# KiCad board HALTEST.kicad_pcb
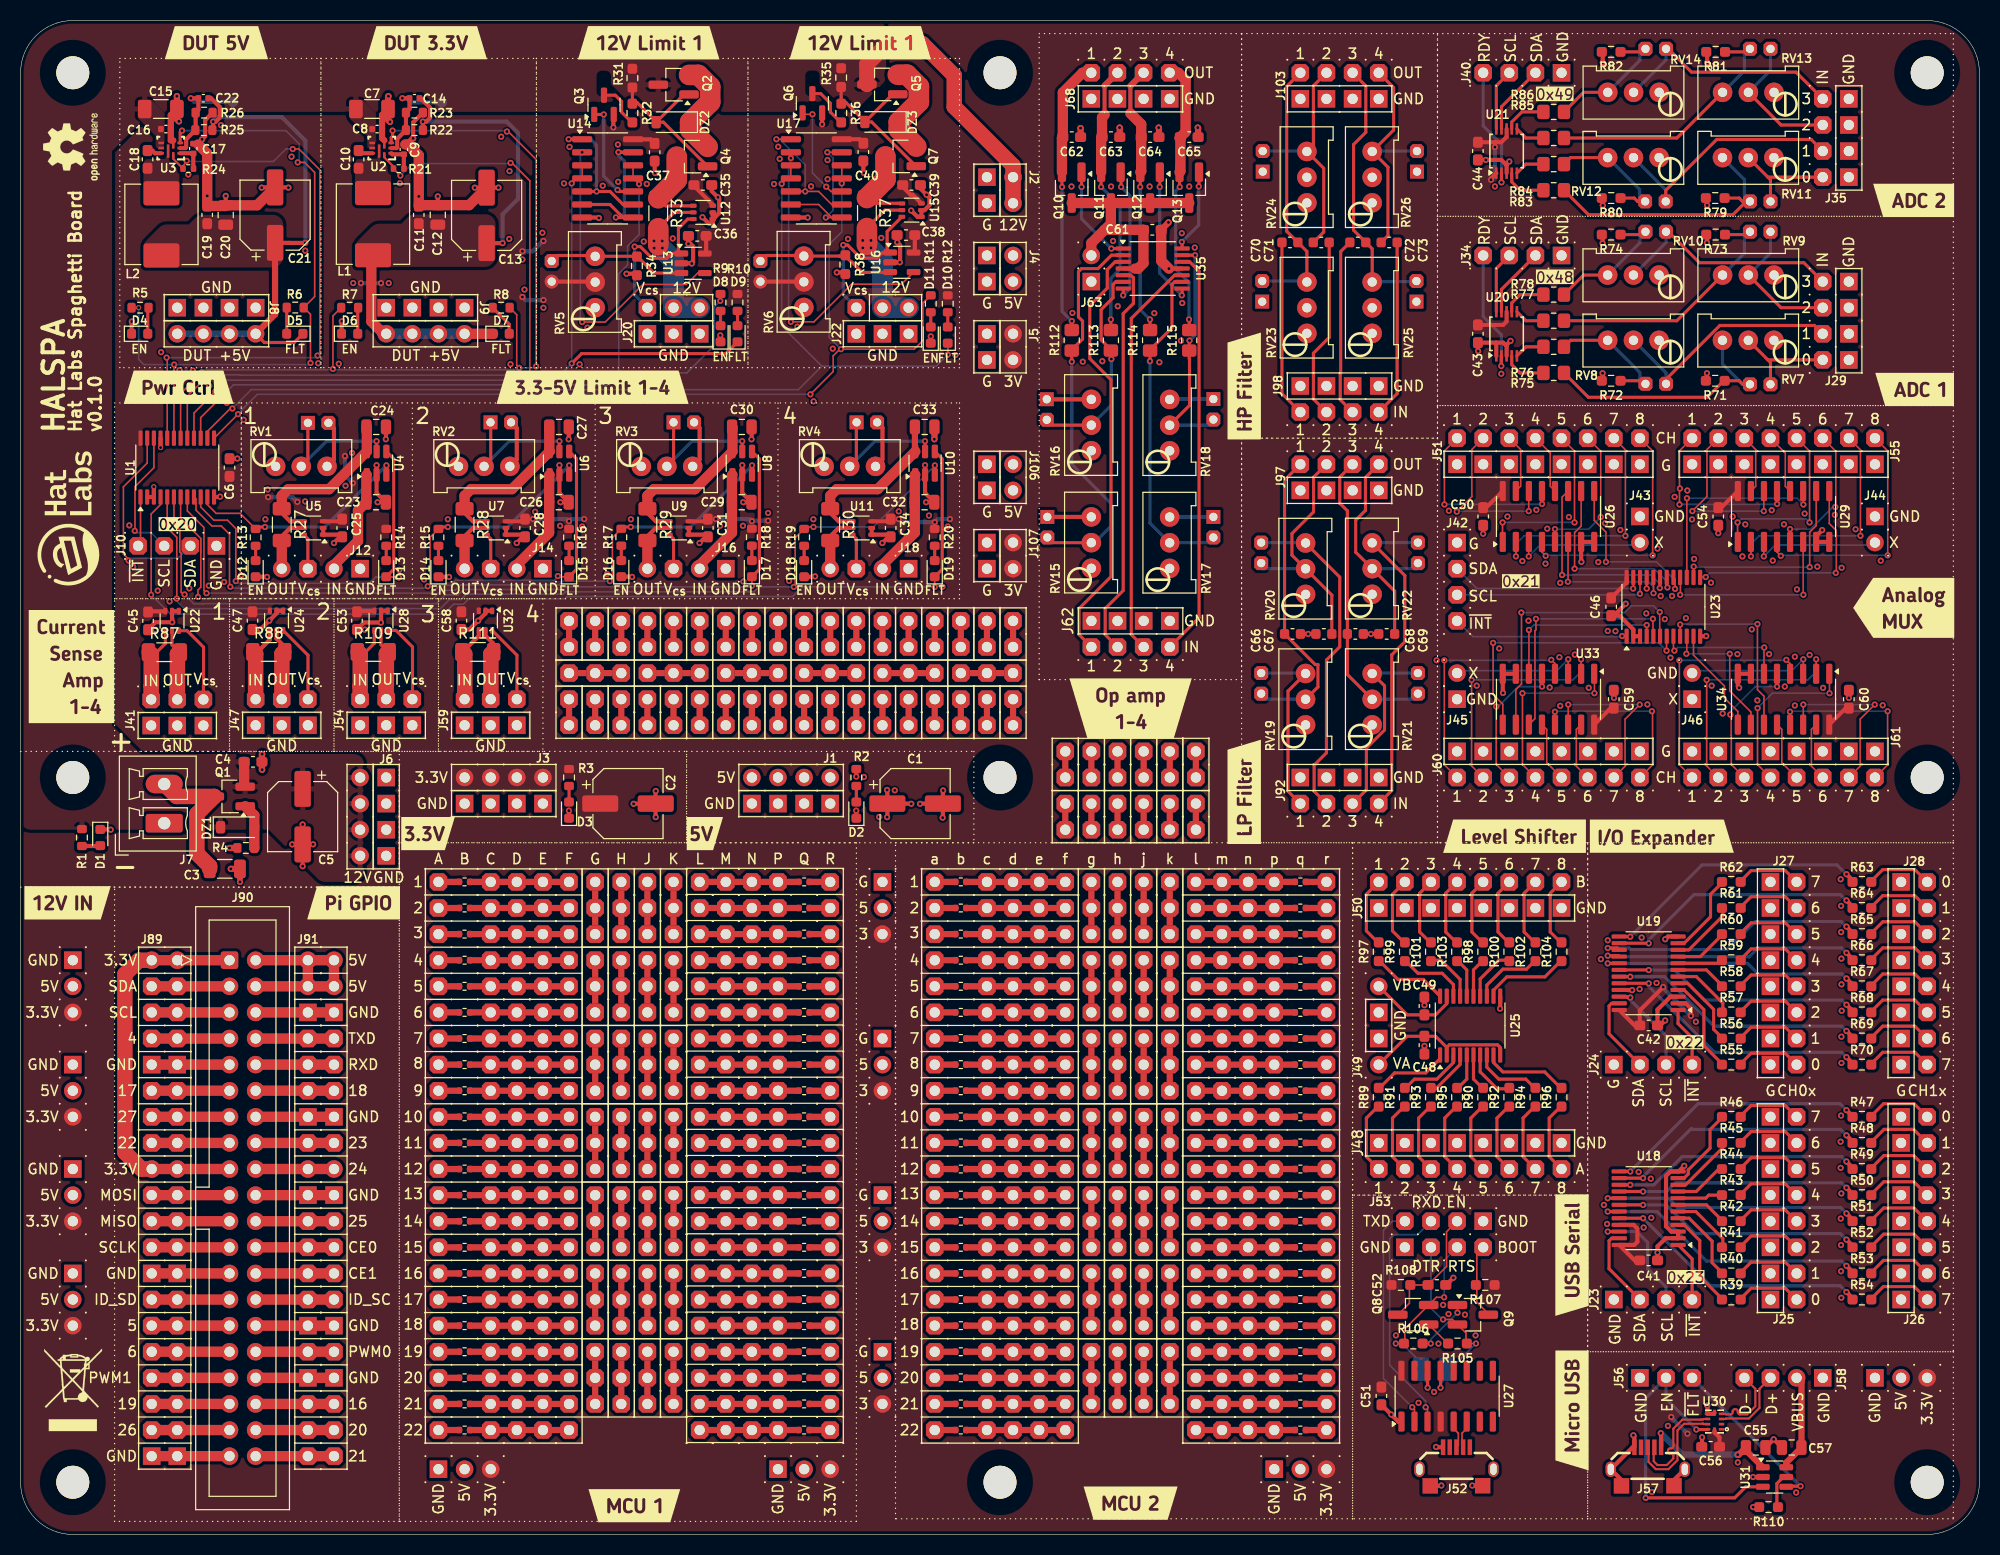
[diagram p0: board, top side]
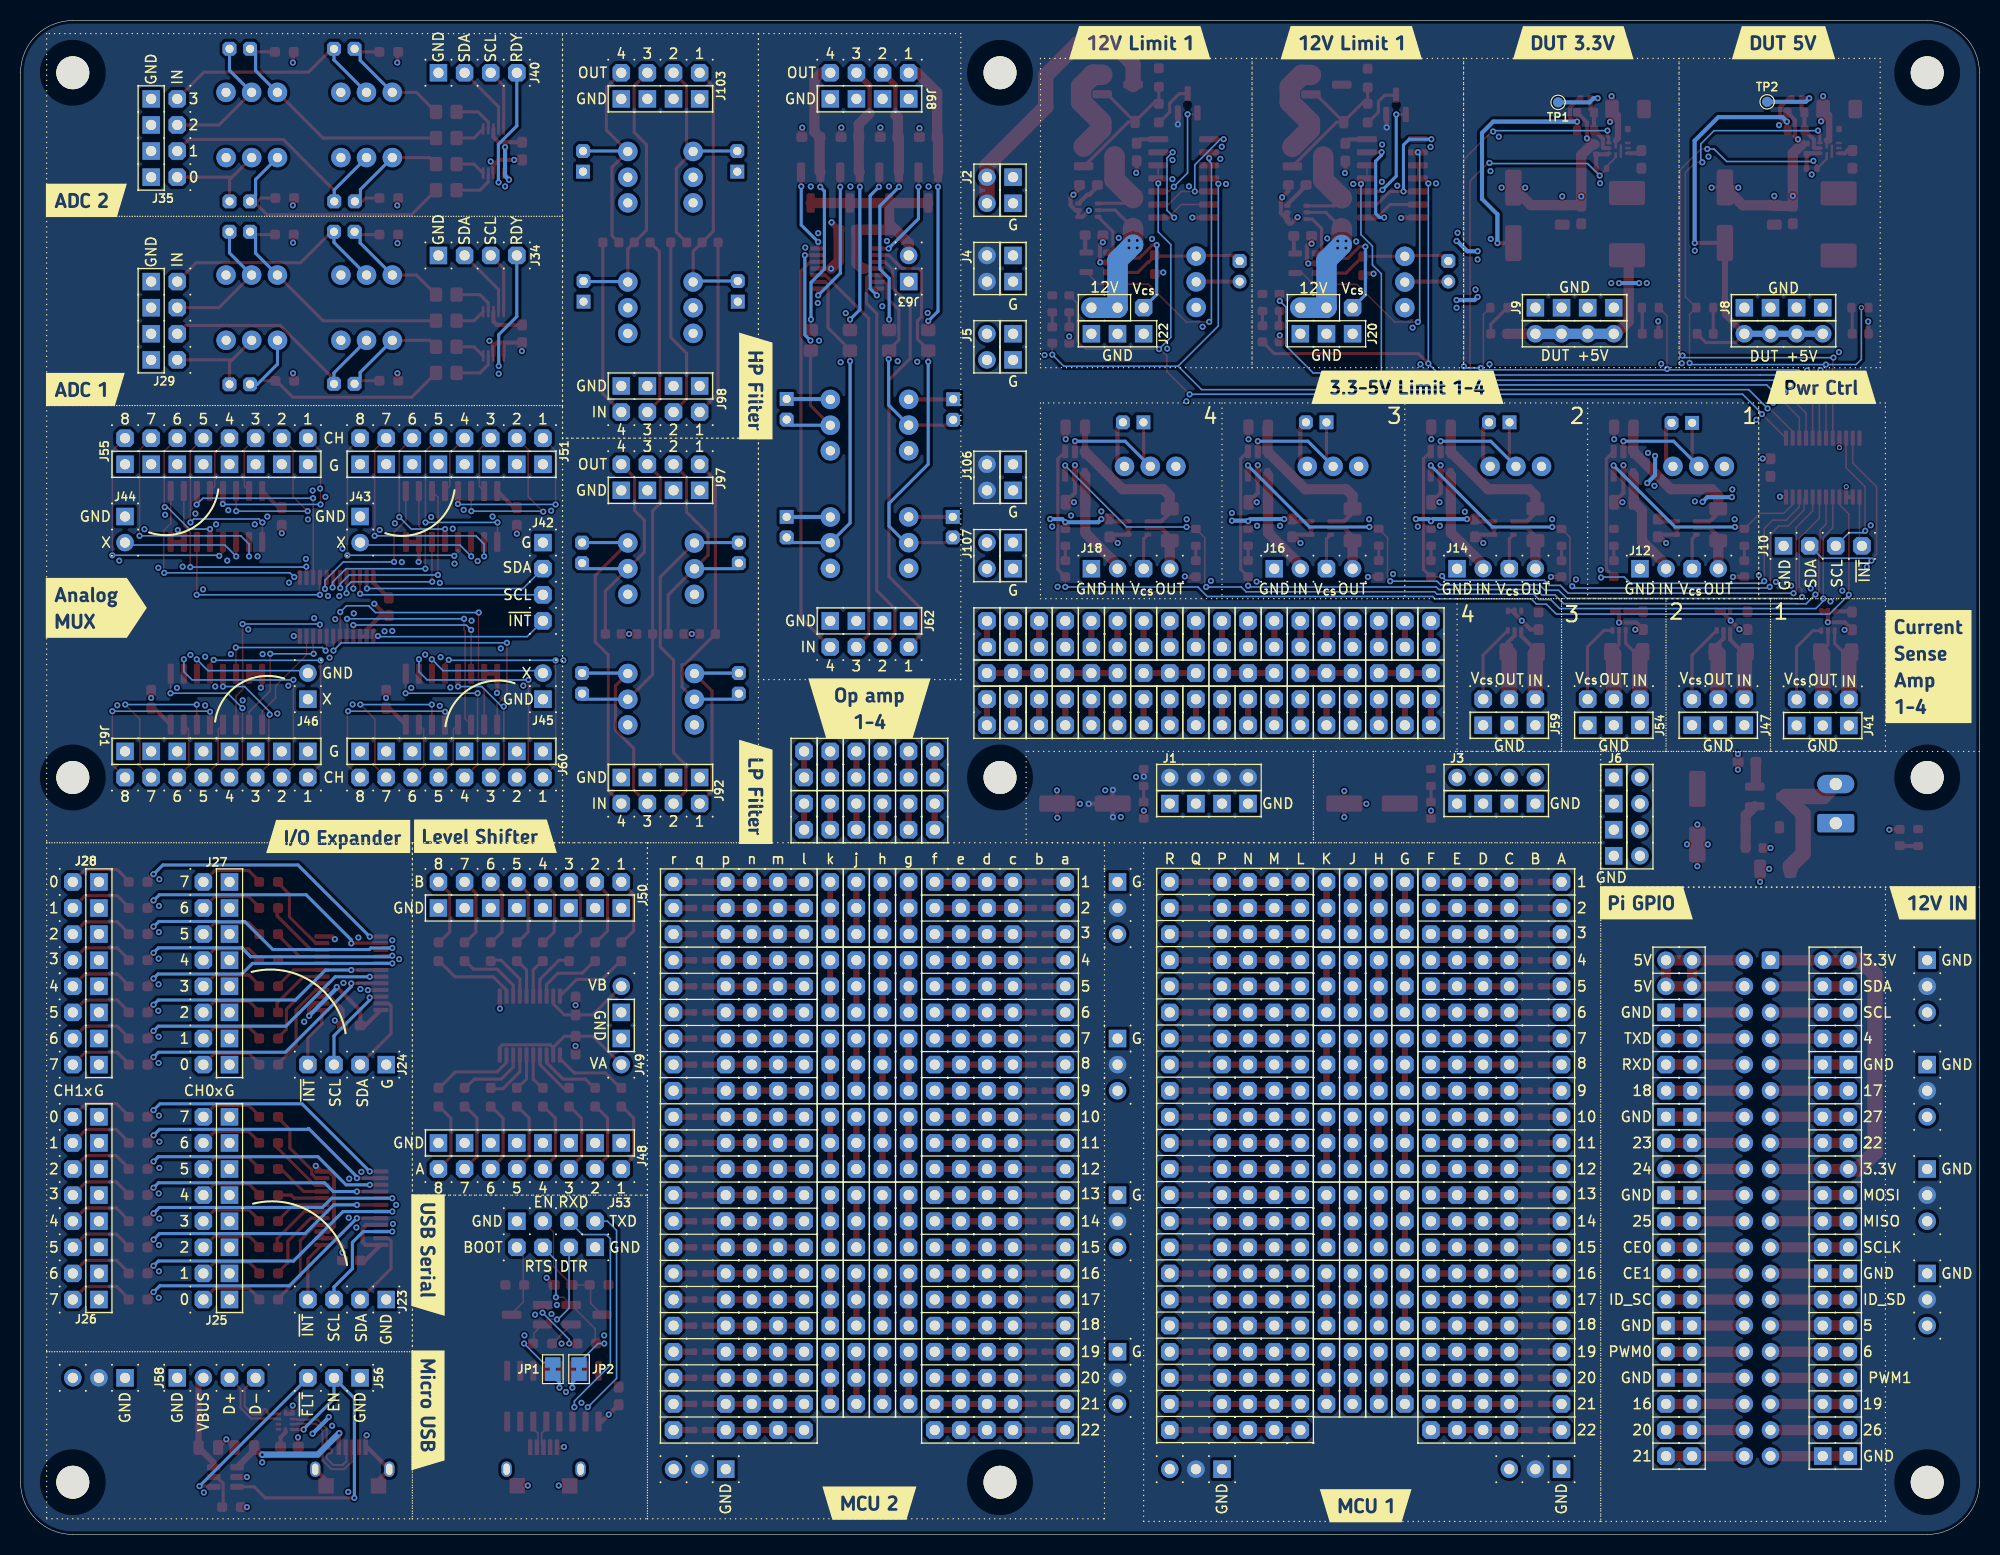
[diagram p1: board, bottom side, seen from below]

Outline 190.5 x 147.32 mm; copper layers: Top, In1.Cu, In2.Cu, Bottom. Coordinates in mm from the lower left corner of the outline.
Outline path: 0,142.24 0,5.08 arc(1.49,1.49) 5.08,0 185.42,0 arc(189.01,1.49) 190.5,5.08 190.5,142.24 arc(189.01,145.83) 185.42,147.32 5.08,147.32 arc(1.49,145.83) 0,142.24
Stack: Top 0.035mm / dielectric 0.0994mm FR4 er 4.5 / In1.Cu 0.0152mm / dielectric 1.265mm FR4 er 4.5 / In2.Cu 0.0152mm / dielectric 0.0994mm FR4 er 4.5 / Bottom 0.035mm

## Placement (name value [footprint] x y rotation side)
C1  220uF  [CP_Elec_6.3x7.7]  87 71.12 0 top
C2  220uF  [CP_Elec_6.3x7.7]  59.07 71.12 0 top
C3  1uF/50V  [C_1206_3216Metric]  19.86 64.77 0 top
C4  1uF  [C_0603_1608Metric_Pad1.08x0.95mm_HandSolder]  22.61 75.18 0 top
C5  220uF  [CP_Elec_6.3x7.7]  27.43 69.85 270 top
C6  1uF  [C_0603_1608Metric_Pad1.08x0.95mm_HandSolder]  20.32 103.82 90 top
C7  10uF  [C_1206_3216Metric_Pad1.33x1.80mm_HandSolder]  34.17 138.71 0 top
C8  1uF  [C_0402_1005Metric]  34.67 136.76 0 top
C9  1uF  [C_0402_1005Metric]  37.27 134.78 90 top
C10  100nF  [C_0603_1608Metric_Pad1.08x0.95mm_HandSolder]  32.88 133.81 90 top
C11  1uF  [C_0603_1608Metric_Pad1.08x0.95mm_HandSolder]  38.73 128.41 90 top
C12  10uF  [C_0805_2012Metric]  40.57 128.41 90 top
C13  220uF/16V  [CP_Elec_6.3x7.7]  45.32 128.36 90 top
C14  33pF  [C_0402_1005Metric]  38.3 139.76 180 top
C15  10uF  [C_1206_3216Metric_Pad1.33x1.80mm_HandSolder]  13.64 138.71 0 top
C16  1uF  [C_0402_1005Metric]  14.13 136.76 0 top
C17  1uF  [C_0402_1005Metric]  16.8 134.86 90 top
C18  100nF  [C_0603_1608Metric_Pad1.08x0.95mm_HandSolder]  12.35 133.81 90 top
C19  1uF  [C_0603_1608Metric_Pad1.08x0.95mm_HandSolder]  18.15 128.41 90 top
C20  10uF  [C_0805_2012Metric]  19.95 128.4 90 top
C21  220uF/16V  [CP_Elec_6.3x7.7]  24.75 128.39 90 top
C22  33pF  [C_0402_1005Metric]  17.77 139.76 180 top
C23  10uF  [C_0805_2012Metric]  34.57 100.45 0 top
C24  10uF  [C_0805_2012Metric]  34.59 107.77 0 top
C25  1uF  [C_0603_1608Metric_Pad1.08x0.95mm_HandSolder]  31.28 97.94 270 top
C26  10uF  [C_0805_2012Metric]  52.35 100.45 0 top
C27  10uF  [C_0805_2012Metric]  52.36 107.77 0 top
C28  1uF  [C_0603_1608Metric_Pad1.08x0.95mm_HandSolder]  49.06 97.94 270 top
C29  10uF  [C_0805_2012Metric]  70.13 100.45 0 top
C30  10uF  [C_0805_2012Metric]  70.14 107.77 0 top
C31  1uF  [C_0603_1608Metric_Pad1.08x0.95mm_HandSolder]  66.84 97.94 270 top
C32  10uF  [C_0805_2012Metric]  87.91 100.45 0 top
C33  10uF  [C_0805_2012Metric]  87.92 107.77 0 top
C34  1uF  [C_0603_1608Metric_Pad1.08x0.95mm_HandSolder]  84.62 97.94 270 top
C35  1uF  [C_0603_1608Metric_Pad1.08x0.95mm_HandSolder]  66.35 131.32 0 top
C36  1uF  [C_0603_1608Metric_Pad1.08x0.95mm_HandSolder]  65.81 126.37 180 top
C37  1uF  [C_0603_1608Metric_Pad1.08x0.95mm_HandSolder]  61.67 134.5 270 top
C38  1uF  [C_0603_1608Metric_Pad1.08x0.95mm_HandSolder]  86.1 126.44 180 top
C39  1uF  [C_0603_1608Metric_Pad1.08x0.95mm_HandSolder]  86.65 131.32 0 top
C40  1uF  [C_0603_1608Metric_Pad1.08x0.95mm_HandSolder]  81.96 134.52 270 top
C41  1uF  [C_0603_1608Metric_Pad1.08x0.95mm_HandSolder]  158.33 26.67 0 top
C42  1uF  [C_0603_1608Metric_Pad1.08x0.95mm_HandSolder]  158.33 49.53 0 top
C43  1uF  [C_0603_1608Metric_Pad1.08x0.95mm_HandSolder]  141.72 116.84 270 top
C44  1uF  [C_0603_1608Metric_Pad1.08x0.95mm_HandSolder]  141.72 134.62 270 top
C45  1uF  [C_0603_1608Metric_Pad1.08x0.95mm_HandSolder]  12.4 88.9 90 top
C46  1uF  [C_0603_1608Metric_Pad1.08x0.95mm_HandSolder]  154.69 90.27 270 top
C47  1uF  [C_0603_1608Metric_Pad1.08x0.95mm_HandSolder]  22.56 88.92 90 top
C48  1uF  [C_0603_1608Metric_Pad1.08x0.95mm_HandSolder]  136.53 47.62 90 top
C49  1uF  [C_0603_1608Metric_Pad1.08x0.95mm_HandSolder]  136.53 51.43 90 top
C50  1uF  [C_0603_1608Metric_Pad1.08x0.95mm_HandSolder]  142.24 99.06 270 top
C51  1uF  [C_0603_1608Metric_Pad1.08x0.95mm_HandSolder]  132.34 13.48 270 top
C52  1uF  [C_0603_1608Metric_Pad1.08x0.95mm_HandSolder]  137.74 24.28 0 top
C53  1uF  [C_0603_1608Metric_Pad1.08x0.95mm_HandSolder]  32.72 88.92 90 top
C54  1uF  [C_0603_1608Metric_Pad1.08x0.95mm_HandSolder]  165.1 99.06 270 top
C55  10uF  [C_0805_2012Metric]  168.74 8.46 0 top
C56  1uF  [C_0603_1608Metric_Pad1.08x0.95mm_HandSolder]  164.36 8.53 0 top
C57  10uF  [C_0805_2012Metric]  172.24 8.46 180 top
C58  1uF  [C_0603_1608Metric_Pad1.08x0.95mm_HandSolder]  42.88 88.92 90 top
C59  1uF  [C_0603_1608Metric_Pad1.08x0.95mm_HandSolder]  154.94 81.28 90 top
C60  1uF  [C_0603_1608Metric_Pad1.08x0.95mm_HandSolder]  177.8 81.28 90 top
C61  1uF  [C_0603_1608Metric_Pad1.08x0.95mm_HandSolder]  110.07 126.96 180 top
C62  1uF  [C_0603_1608Metric_Pad1.08x0.95mm_HandSolder]  102.22 135.98 180 top
C63  1uF  [C_0603_1608Metric_Pad1.08x0.95mm_HandSolder]  106.03 135.98 180 top
C64  1uF  [C_0603_1608Metric_Pad1.08x0.95mm_HandSolder]  109.84 135.98 180 top
C65  1uF  [C_0603_1608Metric_Pad1.08x0.95mm_HandSolder]  113.66 135.98 180 top
C66  1nF C0G  [C_0603_1608Metric]  123.7 87.63 0 top
C67  1nF C0G  [C_0603_1608Metric]  126.75 87.63 180 top
C68  1nF C0G  [C_0603_1608Metric]  129.81 87.63 0 top
C69  1nF C0G  [C_0603_1608Metric]  132.85 87.63 180 top
C70  3.3nF C0G  [C_0603_1608Metric]  123.44 125.73 0 top
C71  3.3nF C0G  [C_0603_1608Metric]  126.49 125.73 180 top
C72  3.3nF C0G  [C_0603_1608Metric]  130.05 125.73 0 top
C73  3.3nF C0G  [C_0603_1608Metric]  133.1 125.73 180 top
D1  GREEN  [LED_0603_1608Metric]  7.75 67.82 270 top
D2  GREEN  [LED_0603_1608Metric]  81.28 70.49 90 top
D3  GREEN  [LED_0603_1608Metric]  53.34 70.49 90 top
D4  GREEN  [LED_0603_1608Metric]  11.58 116.84 0 top
D5  RED  [LED_0603_1608Metric]  26.67 116.84 180 top
D6  GREEN  [LED_0603_1608Metric]  32 116.84 0 top
D7  RED  [LED_0603_1608Metric]  46.74 116.84 0 top
D8  GREEN  [LED_0603_1608Metric]  68.07 116.84 90 top
D9  RED  [LED_0603_1608Metric]  69.72 116.84 90 top
D10  GREEN  [LED_0603_1608Metric]  88.52 116.71 90 top
D11  RED  [LED_0603_1608Metric]  90.17 116.71 90 top
D12  GREEN  [LED_0603_1608Metric]  22.86 93.98 90 top
D13  RED  [LED_0603_1608Metric]  35.56 93.98 90 top
D14  GREEN  [LED_0603_1608Metric]  40.64 93.98 90 top
D15  RED  [LED_0603_1608Metric]  53.34 93.98 90 top
D16  GREEN  [LED_0603_1608Metric]  58.42 93.99 90 top
D17  RED  [LED_0603_1608Metric]  71.12 93.99 90 top
D18  GREEN  [LED_0603_1608Metric]  76.2 93.98 90 top
D19  RED  [LED_0603_1608Metric]  88.9 93.98 90 top
DZ1  BZT52C10  [D_SOD-123]  21.1 68.82 0 top
DZ2  BZT52C10  [D_SOD-123]  63.47 137.43 180 top
DZ3  BZT52C10  [D_SOD-123]  83.76 137.45 180 top
G***  LOGO  [Hat_Labs_13mm]  4.65 98.87 90 top
H1  MountingHole  [MountingHole_3.2mm_M3_NoFill]  5.08 142.24 0 top
H2  MountingHole  [MountingHole_3.2mm_M3_NoFill]  5.08 73.66 0 top
H3  MountingHole  [MountingHole_3.2mm_M3_NoFill]  185.42 142.24 0 top
H4  MountingHole  [MountingHole_3.2mm_M3_NoFill]  185.42 73.66 0 top
H5  MountingHole  [MountingHole_3.2mm_M3_NoFill]  5.08 5.08 0 top
H6  MountingHole  [MountingHole_3.2mm_M3_NoFill]  95.25 5.08 0 top
H7  MountingHole  [MountingHole_3.2mm_M3_NoFill]  95.25 73.66 0 top
H8  MountingHole  [MountingHole_3.2mm_M3_NoFill]  95.25 142.24 0 top
H9  MountingHole  [MountingHole_3.2mm_M3_NoFill]  185.42 5.08 0 top
J1  Conn_02x04_Odd_Even  [Pad_2x04_P2.54_1.7x1.7_Rect-Rnd]  71.12 71.12 90 top
J2  Conn_02x02_Odd_Even  [Pad_2x02_P2.54_1.7x1.7_Rect-Rnd]  93.98 132.08 0 top
J3  Conn_02x04_Odd_Even  [Pad_2x04_P2.54_1.7x1.7_Rect-Rnd]  43.18 71.12 90 top
J4  Conn_02x02_Odd_Even  [Pad_2x02_P2.54_1.7x1.7_Rect-Rnd]  93.98 124.46 0 top
J5  Conn_02x02_Odd_Even  [Pad_2x02_P2.54_1.7x1.7_Rect-Rnd]  93.98 116.84 0 top
J6  Conn_02x04_Odd_Even  [Pad_2x04_P2.54_1.7x1.7_Rect-Rnd]  35.56 66.04 180 top
J7  Conn_01x02  [PhoenixContact_MCV_1,5_2-G-3.81_1x02_P3.81mm_Vertical]  13.97 69.22 90 top
J8  Conn_02x04_Odd_Even  [Pad_2x04_P2.54_1.7x1.7_Rect-Rnd]  22.86 119.38 270 top
J9  Conn_02x04_Odd_Even  [Pad_2x04_P2.54_1.7x1.7_Rect-Rnd]  43.18 119.38 270 top
J10  Conn_01x04  [Pad_1x04_P2.54_1.7x1.7_Rect-Oct]  19.05 96.2 270 top
J11  Conn_01x02  [Pad_1x02_P2.00_1.35x1.35_Rect-Oct]  27.94 108.17 90 top
J12  Conn_01x04  [Pad_1x04_P2.54_1.7x1.7_Rect-Rnd-Oct-Rnd]  33.02 93.98 270 top
J13  Conn_01x02  [Pad_1x02_P2.00_1.35x1.35_Rect-Oct]  45.7 108.22 90 top
J14  Conn_01x04  [Pad_1x04_P2.54_1.7x1.7_Rect-Rnd-Oct-Rnd]  50.8 93.98 270 top
J15  Conn_01x02  [Pad_1x02_P2.00_1.35x1.35_Rect-Oct]  63.5 108.22 90 top
J16  Conn_01x04  [Pad_1x04_P2.54_1.7x1.7_Rect-Rnd-Oct-Rnd]  68.58 93.98 270 top
J17  Conn_01x02  [Pad_1x02_P2.00_1.35x1.35_Rect-Oct]  81.3 108.22 90 top
J18  Conn_01x04  [Pad_1x04_P2.54_1.7x1.7_Rect-Rnd-Oct-Rnd]  86.36 93.98 270 top
J19  Conn_01x02  [Pad_1x02_P2.00_1.35x1.35_Rnd-Oct]  51.65 121.92 180 top
J20  Conn_02x03_Odd_Even  [Pad_2x03_P2.54_1.7x1.7_Rect-1Oct-2Rnd]  60.96 116.84 90 top
J21  Conn_01x02  [Pad_1x02_P2.00_1.35x1.35_Rnd-Oct]  71.95 121.92 180 top
J22  Conn_02x03_Odd_Even  [Pad_2x03_P2.54_1.7x1.7_Rect-1Oct-2Rnd]  81.28 116.84 90 top
J23  Conn_01x04  [Pad_1x04_P2.54_1.7x1.7_Rect-Oct]  154.94 22.86 90 top
J24  Conn_01x04  [Pad_1x04_P2.54_1.7x1.7_Rect-Oct]  154.94 45.72 90 top
J25  Conn_02x08_Odd_Even  [Pad_2x08_P2.54_1.7x1.7_Rect-Oct]  170.18 40.64 0 top
J26  Conn_02x08_Odd_Even  [Pad_2x08_P2.54_1.7x1.7_Rect-Oct]  182.88 22.86 0 bottom
J27  Conn_02x08_Odd_Even  [Pad_2x08_P2.54_1.7x1.7_Rect-Oct]  170.18 63.5 0 top
J28  Conn_02x08_Odd_Even  [Pad_2x08_P2.54_1.7x1.7_Rect-Oct]  182.88 45.72 0 bottom
J29  Conn_02x04_Odd_Even  [Pad_2x04_P2.54_1.7x1.7_Rect-Oct]  177.8 114.3 180 top
J30  Conn_01x02  [Pad_1x02_P2.00_1.35x1.35_Oct]  170.18 111.92 270 top
J31  Conn_01x02  [Pad_1x02_P2.00_1.35x1.35_Oct]  160.02 111.97 270 top
J32  Conn_01x02  [Pad_1x02_P2.00_1.35x1.35_Oct]  170.18 126.77 270 top
J33  Conn_01x02  [Pad_1x02_P2.00_1.35x1.35_Oct]  160.02 126.77 270 top
J34  Conn_01x04  [Pad_1x04_P2.54_1.7x1.7_Rect-Oct]  149.86 124.46 270 top
J35  Conn_02x04_Odd_Even  [Pad_2x04_P2.54_1.7x1.7_Rect-Oct]  177.8 132.08 180 top
J36  Conn_01x02  [Pad_1x02_P2.00_1.35x1.35_Oct]  170.18 129.72 270 top
J37  Conn_01x02  [Pad_1x02_P2.00_1.35x1.35_Oct]  159.99 129.72 270 top
J38  Conn_01x02  [Pad_1x02_P2.00_1.35x1.35_Oct]  170.18 144.57 270 top
J39  Conn_01x02  [Pad_1x02_P2.00_1.35x1.35_Oct]  160.02 144.57 270 top
J40  Conn_01x04  [Pad_1x04_P2.54_1.7x1.7_Rect-Oct]  149.86 142.24 270 top
J41  Conn_02x03_Odd_Even  [Pad_2x03_P2.54_1.7x1.7_Rect-Oct]  12.7 78.72 90 top
J42  Conn_01x04  [Pad_1x04_P2.54_1.7x1.7_Rect-Oct]  139.7 96.52 0 top
J43  Conn_01x02  [Pad_1x02_P2.54_1.7x1.7_Rect-Rnd]  157.48 99.06 0 top
J44  Conn_01x02  [Pad_1x02_P2.54_1.7x1.7_Rect-Rnd]  180.34 99.06 0 top
J45  Conn_01x02  [Pad_1x02_P2.54_1.7x1.7_Rect-Rnd]  139.7 81.28 180 top
J46  Conn_01x02  [Pad_1x02_P2.54_1.7x1.7_Rect-Rnd]  162.56 81.28 180 top
J47  Conn_02x03_Odd_Even  [Pad_2x03_P2.54_1.7x1.7_Rect-Oct]  22.86 78.74 90 top
J48  Conn_02x08_Odd_Even  [Pad_2x08_P2.54_1.7x1.7_Rect-Oct]  132.08 38.1 270 bottom
J49  Conn_01x04  [Pad_1x04_P2.54_1.7x1.7_Rect-Rnd-Rnd-Rect]  132.08 45.72 180 top
J50  Conn_02x08_Odd_Even  [Pad_2x08_P2.54_1.7x1.7_Rect-Oct]  132.08 60.96 90 top
J51  Conn_02x08_Odd_Even  [Pad_2x08_P2.54_1.7x1.7_Rect-Oct]  139.7 104.14 90 top
J52  USB_B_Micro  [MICRO-USB-SMD_MICRO-21-P2-T3]  139.64 6.61 180 top
J53  Conn_02x04_Odd_Even  [Pad_2x04_P2.54_1.7x1.7_Rect-Oct-Rect]  134.62 27.94 90 top
J54  Conn_02x03_Odd_Even  [Pad_2x03_P2.54_1.7x1.7_Rect-Oct]  33.02 78.74 90 top
J55  Conn_02x08_Odd_Even  [Pad_2x08_P2.54_1.7x1.7_Rect-Oct]  162.56 104.14 90 top
J56  Conn_01x03  [Pad_1x03_P2.54_1.7x1.7_Rect-2Oct]  157.48 15.24 90 top
J57  USB_B_Micro  [MICRO-USB-SMD_MICRO-21-P2-T3]  158.24 6.6 180 top
J58  Conn_01x04  [Pad_1x04_P2.54_1.7x1.7_Rect-Rnd-Oct-Oct]  175.26 15.24 270 top
J59  Conn_02x03_Odd_Even  [Pad_2x03_P2.54_1.7x1.7_Rect-Oct]  43.18 78.74 90 top
J60  Conn_02x08_Odd_Even  [Pad_2x08_P2.54_1.7x1.7_Rect-Oct]  157.48 76.2 270 top
J61  Conn_02x08_Odd_Even  [Pad_2x08_P2.54_1.7x1.7_Rect-Oct]  180.34 76.2 270 top
J62  Conn_02x04_Odd_Even  [Pad_2x04_P2.54_1.7x1.7_Rect-Oct]  104.14 88.9 270 bottom
J63  Conn_01x02  [Pad_1x02_P2.54_1.7x1.7_Rect-Rnd]  104.13 121.92 180 top
J64  Conn_01x02  [Pad_1x02_P2.00_1.35x1.35_Rect-Oct]  99.85 99.02 0 top
J65  Conn_01x02  [Pad_1x02_P2.00_1.35x1.35_Rect-Oct]  99.8 110.47 0 top
J66  Conn_01x02  [Pad_1x02_P2.00_1.35x1.35_Rect-Oct]  116 99.02 0 top
J67  Conn_01x02  [Pad_1x02_P2.00_1.35x1.35_Rect-Oct]  116 110.49 0 top
J68  Conn_02x04_Odd_Even  [Pad_2x04_P2.54_1.7x1.7_Rect-Oct]  104.13 139.7 90 top
J69  Conn_01x22  [Pad_1x22_P2.54_1.7x1.7_Oct]  78.74 10.16 180 top
J70  Conn_01x22  [Pad_1x22_P2.54_1.7x1.7_Oct]  73.66 10.16 180 top
J71  Conn_01x22  [Pad_1x22_P2.54_1.7x1.7_Oct]  71.12 10.16 180 top
J72  Conn_01x22  [Pad_1x22_P2.54_1.7x1.7_Oct]  68.58 10.16 180 top
J73  Conn_01x22  [Pad_1x22_P2.54_1.7x1.7_Oct]  66.04 10.16 180 top
J74  Conn_01x22  [Pad_1x22_P2.54_1.7x1.7_Oct]  53.34 10.16 180 top
J75  Conn_01x22  [Pad_1x22_P2.54_1.7x1.7_Oct]  50.8 10.16 180 top
J76  Conn_01x22  [Pad_1x22_P2.54_1.7x1.7_Oct]  48.26 10.16 180 top
J77  Conn_01x22  [Pad_1x22_P2.54_1.7x1.7_Oct]  45.72 10.16 180 top
J78  Conn_01x22  [Pad_1x22_P2.54_1.7x1.7_Oct]  40.64 10.16 180 top
J79  Conn_01x22  [Pad_1x22_P2.54_1.7x1.7_Oct]  127 10.16 180 top
J80  Conn_01x22  [Pad_1x22_P2.54_1.7x1.7_Oct]  121.92 10.16 180 top
J81  Conn_01x22  [Pad_1x22_P2.54_1.7x1.7_Oct]  119.38 10.16 180 top
J82  Conn_01x22  [Pad_1x22_P2.54_1.7x1.7_Oct]  116.84 10.16 180 top
J83  Conn_01x22  [Pad_1x22_P2.54_1.7x1.7_Oct]  114.3 10.16 180 top
J84  Conn_01x22  [Pad_1x22_P2.54_1.7x1.7_Oct]  101.6 10.16 180 top
J85  Conn_01x22  [Pad_1x22_P2.54_1.7x1.7_Oct]  96.52 10.16 180 top
J86  Conn_01x22  [Pad_1x22_P2.54_1.7x1.7_Oct]  99.06 10.16 180 top
J87  Conn_01x22  [Pad_1x22_P2.54_1.7x1.7_Oct]  93.98 10.16 180 top
J88  Conn_01x22  [Pad_1x22_P2.54_1.7x1.7_Oct]  88.9 10.16 180 top
J89  Conn_01x20_RPi_GPIO_Odd  [Pad_2x20_P2.54_1.7x1.7_RPi_GPIO_Odd]  12.75 55.88 0 top
J90  Conn_02x20_Odd_Even  [IDC-Header_2x20_P2.54mm_Vertical]  20.32 55.88 0 top
J91  Conn_01x20_RPi_GPIO_Even  [Pad_2x20_P2.54_1.7x1.7_RPi_GPIO_Even]  27.94 55.88 0 top
J92  Conn_02x04_Odd_Even  [Pad_2x04_P2.54_1.7x1.7_Rect-Oct]  124.46 73.66 270 bottom
J93  Conn_01x02  [Pad_1x02_P2.00_1.35x1.35_Oct]  120.65 83.82 0 top
J94  Conn_01x02  [Pad_1x02_P2.00_1.35x1.35_Oct]  120.65 96.52 0 top
J95  Conn_01x02  [Pad_1x02_P2.00_1.35x1.35_Oct]  135.89 83.82 0 top
J96  Conn_01x02  [Pad_1x02_P2.00_1.35x1.35_Oct]  135.89 96.52 0 top
J97  Conn_02x04_Odd_Even  [Pad_2x04_P2.54_1.7x1.7_Rect-Oct]  124.46 101.6 90 top
J98  Conn_02x04_Odd_Even  [Pad_2x04_P2.54_1.7x1.7_Rect-Oct]  124.46 111.76 270 bottom
J99  Conn_01x02  [Pad_1x02_P2.00_1.35x1.35_Rect-Oct]  120.75 119.97 180 top
J100  Conn_01x02  [Pad_1x02_P2.00_1.35x1.35_Rect-Oct]  120.8 132.62 180 top
J101  Conn_01x02  [Pad_1x02_P2.00_1.35x1.35_Rect-Oct]  135.75 119.97 180 top
J102  Conn_01x02  [Pad_1x02_P2.00_1.35x1.35_Rect-Oct]  135.8 132.62 180 top
J103  Conn_02x04_Odd_Even  [Pad_2x04_P2.54_1.7x1.7_Rect-Oct]  124.46 139.7 90 top
J106  Conn_02x02_Odd_Even  [Pad_2x02_P2.54_1.7x1.7_Rect-Rnd]  93.98 104.14 0 top
J107  Conn_02x02_Odd_Even  [Pad_2x02_P2.54_1.7x1.7_Rect-Rnd]  93.98 96.52 0 top
JP1  SJ2b  [SolderJumper-2_P1.3mm_Bridged_Pad1.0x1.5mm]  138.74 16.08 90 bottom
JP2  SJ2b  [SolderJumper-2_P1.3mm_Bridged_Pad1.0x1.5mm]  136.19 16.08 270 bottom
kibuzzard-67C9A3EF  G***  [kibuzzard-67C9A3EF]  4.57 61.47 0 top
kibuzzard-67C9A4E5  G***  [kibuzzard-67C9A4E5]  4.95 84.46 180 bottom
kibuzzard-67C9A4FE  G***  [kibuzzard-67C9A4FE]  4.57 61.47 180 bottom
kibuzzard-67C9A125  G***  [kibuzzard-67C9A125]  4.95 84.46 0 top
kibuzzard-67C9A552  G***  [kibuzzard-67C9A552]  32.38 61.47 180 bottom
kibuzzard-67C9A573  G***  [kibuzzard-67C9A573]  32.38 61.47 0 top
kibuzzard-67C9AD02  G***  [kibuzzard-67C9AD02]  59.69 2.79 0 top
kibuzzard-67C9AD02#2  G***  [kibuzzard-67C9AD02]  59.69 2.79 180 bottom
kibuzzard-67C9AD4C  G***  [kibuzzard-67C9AD4C]  107.95 3.05 180 bottom
kibuzzard-67C9AD5F  G***  [kibuzzard-67C9AD5F]  107.95 3.05 0 top
kibuzzard-67C9AE7F  G***  [kibuzzard-67C9AE7F]  39.62 68.2 0 top
kibuzzard-67C9AF47  G***  [kibuzzard-67C9AF47]  66.55 68.2 0 top
kibuzzard-67C9B4C3  G***  [kibuzzard-67C9B4C3]  107.95 80.39 0 top
kibuzzard-67C9B4C3#2  G***  [kibuzzard-67C9B4C3]  107.95 80.39 180 bottom
kibuzzard-67C9B93B  G***  [kibuzzard-67C9B93B]  119 72.26 90 top
kibuzzard-67C9B96B  G***  [kibuzzard-67C9B96B]  119 111.76 90 top
kibuzzard-67C9BAE7  G***  [kibuzzard-67C9BAE7]  119 72.26 270 bottom
kibuzzard-67C9BB01  G***  [kibuzzard-67C9BB01]  119 111.76 270 bottom
kibuzzard-67C9C711  G***  [kibuzzard-67C9C711]  183.13 90.17 0 top
kibuzzard-67C9CA19  G***  [kibuzzard-67C9CA19]  183.13 90.17 180 bottom
kibuzzard-67C9CAFD  G***  [kibuzzard-67C9CAFD]  145.29 67.95 0 top
kibuzzard-67C9CCAC  G***  [kibuzzard-67C9CCAC]  145.29 67.95 180 bottom
kibuzzard-67C9D0ED  G***  [kibuzzard-67C9D0ED]  150.88 27.18 90 top
kibuzzard-67C9D4C1  G***  [kibuzzard-67C9D4C1]  159.61 67.92 180 bottom
kibuzzard-67C9D4D6  G***  [kibuzzard-67C9D4D6]  150.88 12.07 90 top
kibuzzard-67C9D4F9  G***  [kibuzzard-67C9D4F9]  150.88 12.07 270 bottom
kibuzzard-67C9D5A0  G***  [kibuzzard-67C9D5A0]  184.2 111.42 180 bottom
kibuzzard-67C9D13B  G***  [kibuzzard-67C9D13B]  150.88 27.18 270 bottom
kibuzzard-67C9D56A  G***  [kibuzzard-67C9D56A]  184.1 129.82 180 bottom
kibuzzard-67C9D480  G***  [kibuzzard-67C9D480]  159.61 67.95 0 top
kibuzzard-67C9D562  G***  [kibuzzard-67C9D562]  184.1 129.82 0 top
kibuzzard-67C9D596  G***  [kibuzzard-67C9D596]  184.2 111.42 0 top
kibuzzard-67C99A0E  G***  [kibuzzard-67C99A0E]  55.63 111.63 180 bottom
kibuzzard-67C99F58  G***  [kibuzzard-67C99F58]  15.37 111.63 0 top
kibuzzard-67C99F58#2  G***  [kibuzzard-67C99F58]  15.37 111.63 180 bottom
kibuzzard-67C984A7  G***  [kibuzzard-67C984A7]  39.5 145.16 180 bottom
kibuzzard-67C991CE  G***  [kibuzzard-67C991CE]  61.09 145.16 0 top
kibuzzard-67C991CE#2  G***  [kibuzzard-67C991CE]  81.66 145.16 0 top
kibuzzard-67C991DC  G***  [kibuzzard-67C991DC]  81.66 145.16 180 bottom
kibuzzard-67C991DC#2  G***  [kibuzzard-67C991DC]  61.09 145.16 180 bottom
kibuzzard-67C999FE  G***  [kibuzzard-67C999FE]  55.63 111.63 0 top
kibuzzard-67C9825D  G***  [kibuzzard-67C9825D]  19.05 145.16 0 top
kibuzzard-67C9825D#2  G***  [kibuzzard-67C9825D]  19.05 145.16 180 bottom
kibuzzard-67C98492  G***  [kibuzzard-67C98492]  39.5 145.16 0 top
L1  APH0630T2R2M  [L_Chilisin_BMRx00060630]  34.27 127.51 270 top
L2  APH0630T2R2M  [L_Chilisin_BMRx00060630]  13.7 127.49 270 top
Q1  AO3401A  [SOT-23_Handsoldering]  20.34 71.82 180 top
Q2  AO3401A  [SOT-23_Handsoldering]  63.52 141.08 180 top
Q3  2N7002  [SOT-23]  56.74 139.12 90 top
Q4  AO3401A  [SOT-23_Handsoldering]  65.31 134.08 180 top
Q5  AO3401A  [SOT-23_Handsoldering]  83.81 141.1 180 top
Q6  2N7002  [SOT-23]  77 139.27 90 top
Q7  AO3401A  [SOT-23_Handsoldering]  85.61 134.1 180 top
Q8  S8050  [SOT-23_Handsoldering]  135.44 21.38 180 top
Q9  S8050  [SOT-23_Handsoldering]  141.24 21.38 0 top